# Altium PCB xbw.PcbDoc
Units mm, origin at the board's own origin, x right, y up, seen from the top; angles counter-clockwise.
Board outline 82.04 x 42.93 mm, 4 copper layers (Top Layer, GND, PWR, Bottom Layer), stack 0.603 mm thick; 44 components, 45 nets, 194 pads, 98 vias.
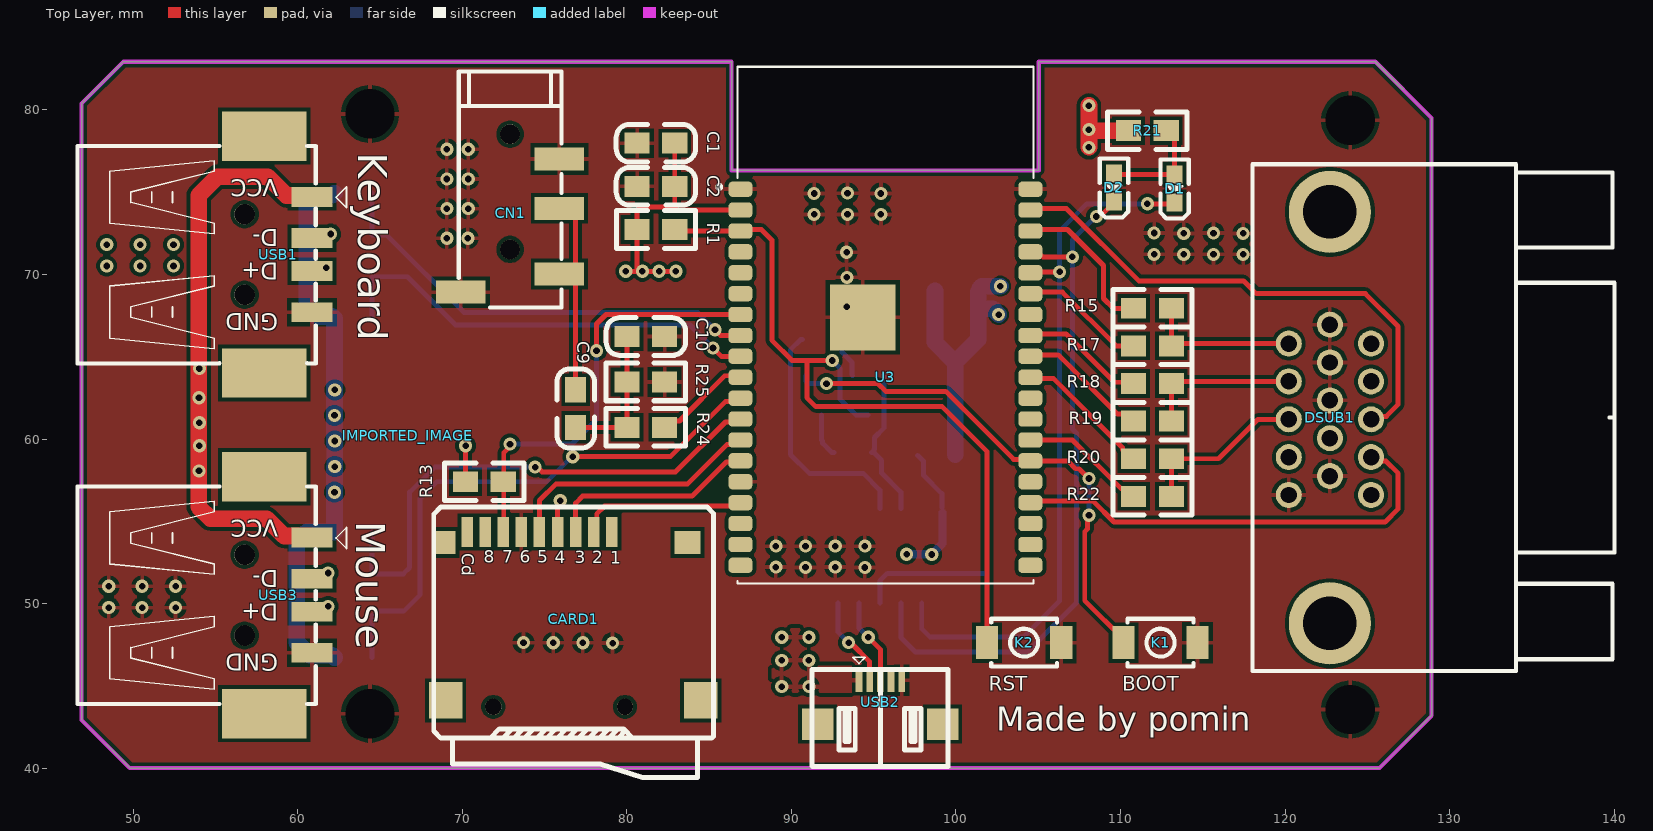
[diagram p0: Top Layer view]
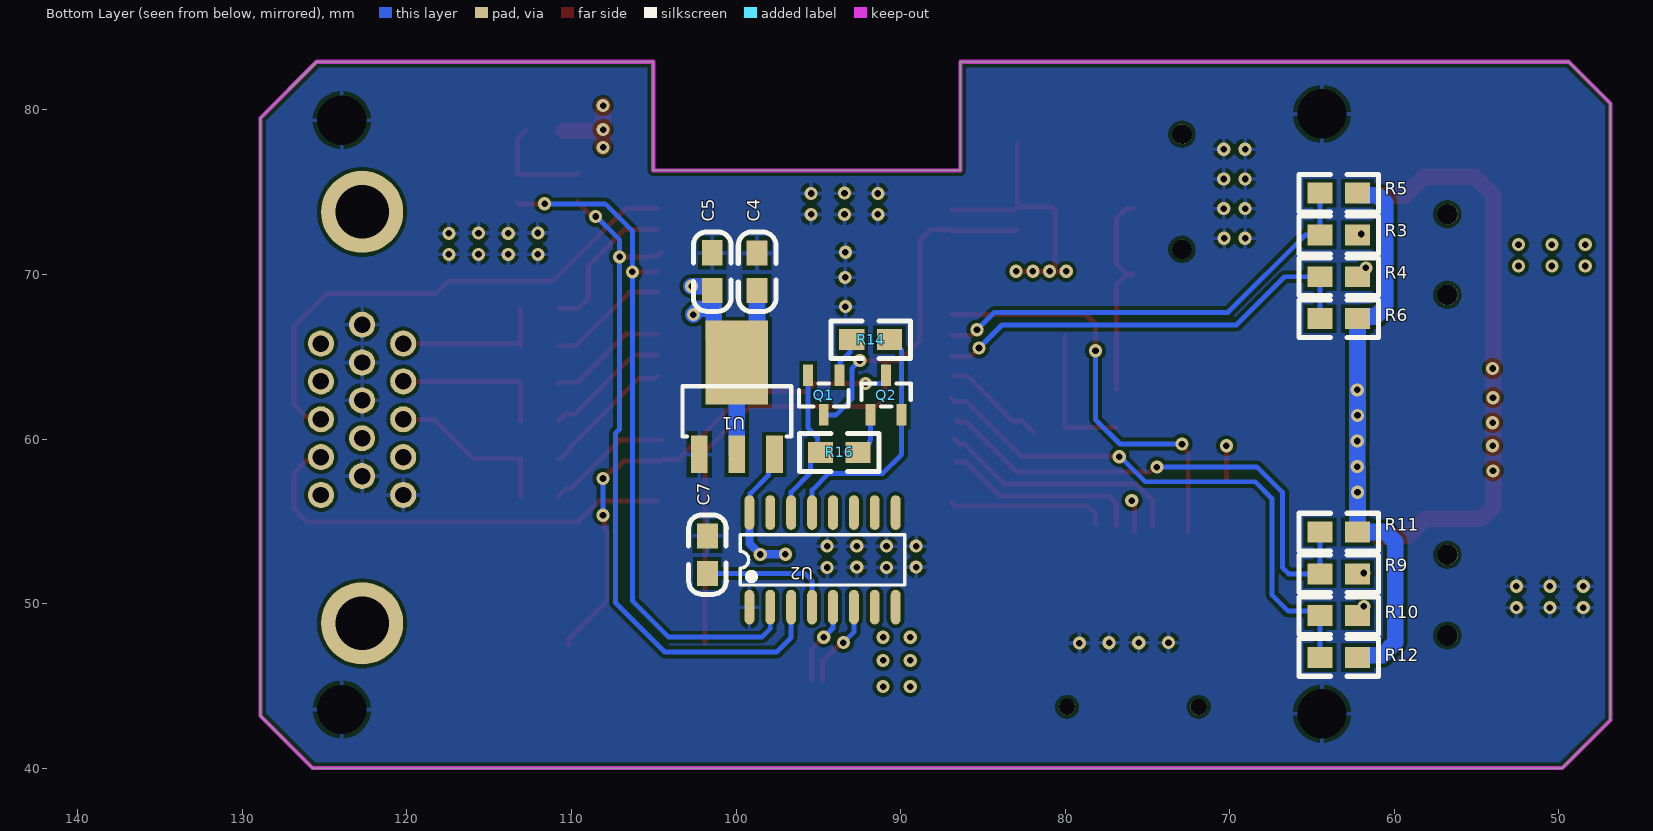
[diagram p1: Bottom Layer view, seen from below]
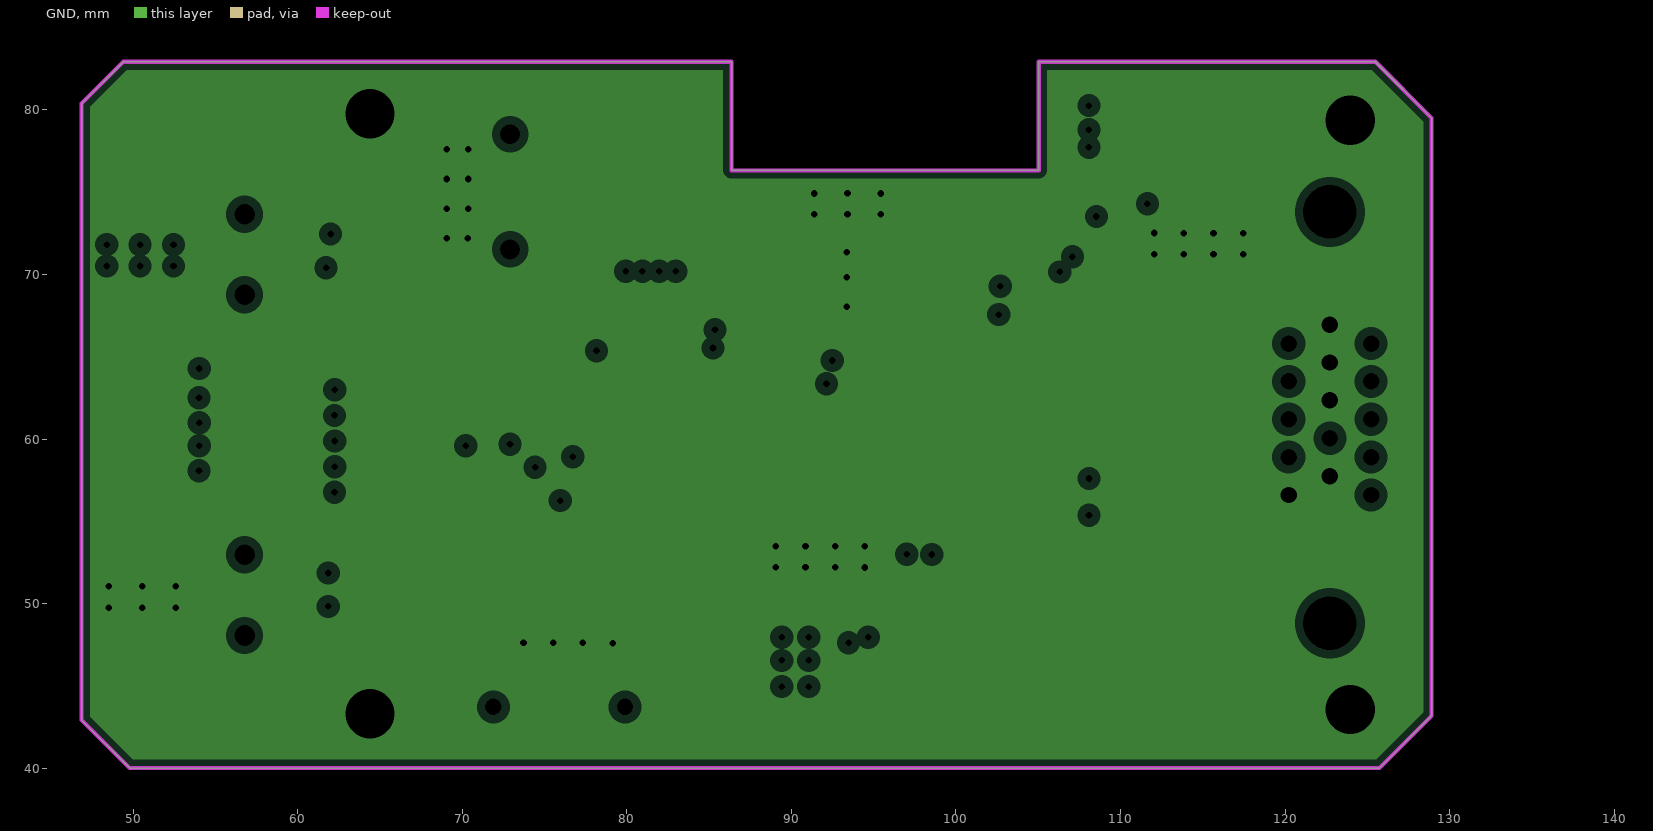
[diagram p2: GND, clearances drawn from the general rule]
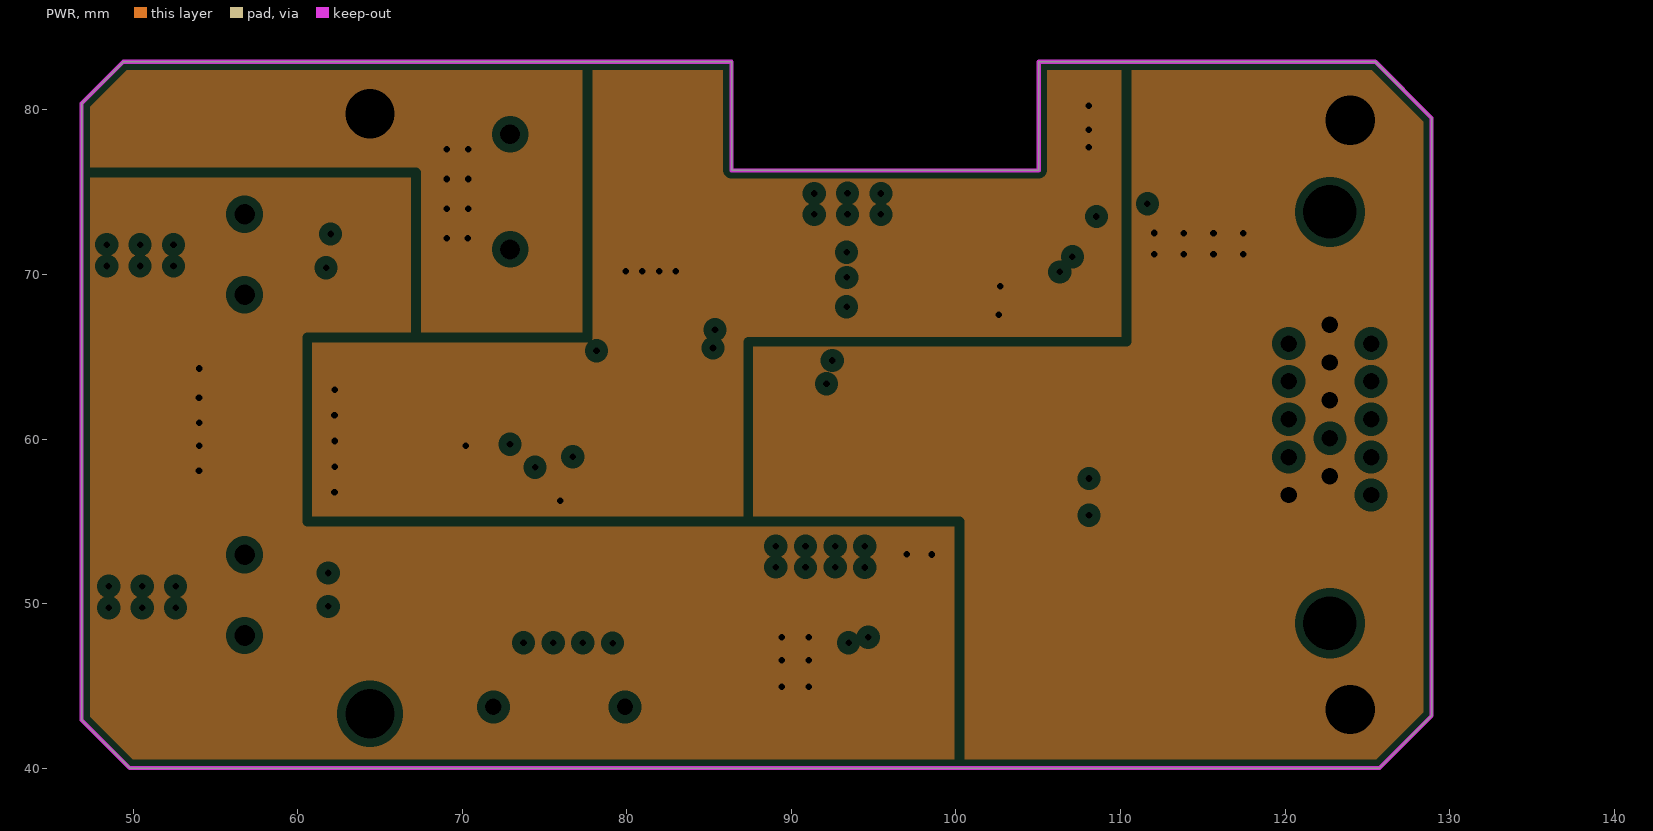
[diagram p3: PWR, clearances drawn from the general rule]
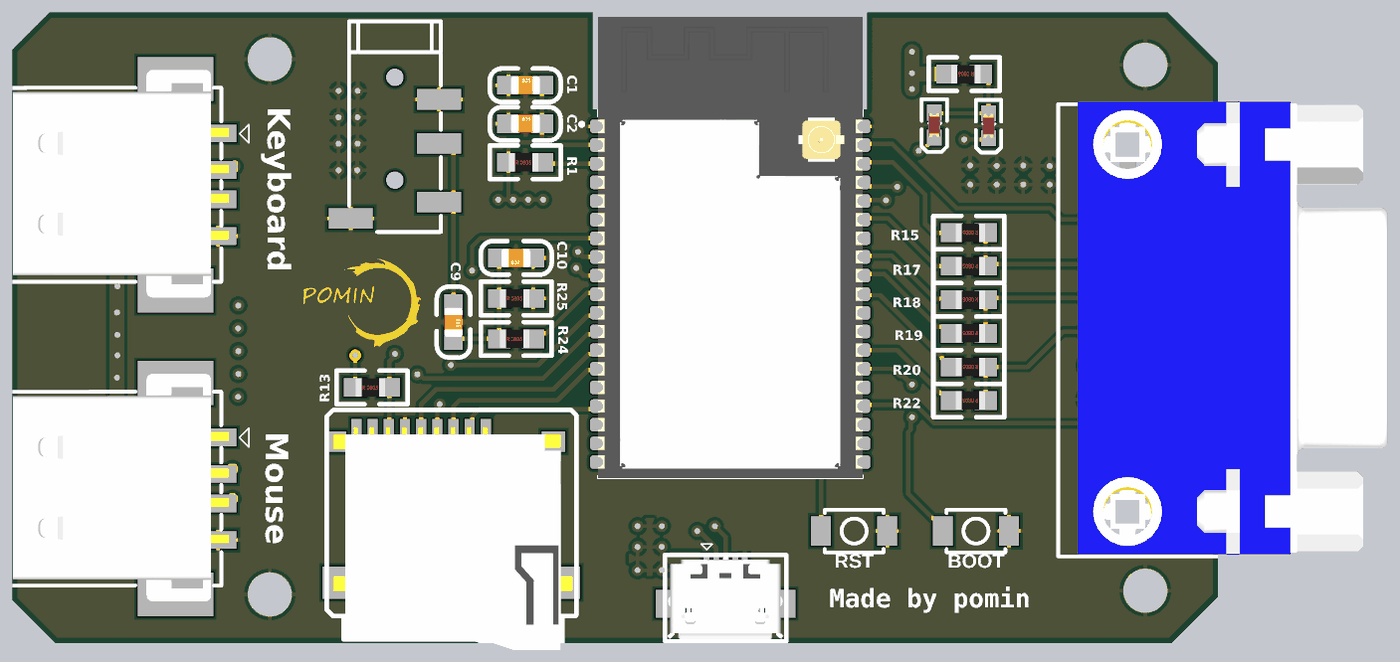
[diagram p4: 3D render of the assembled board from above, using the file's embedded part models]
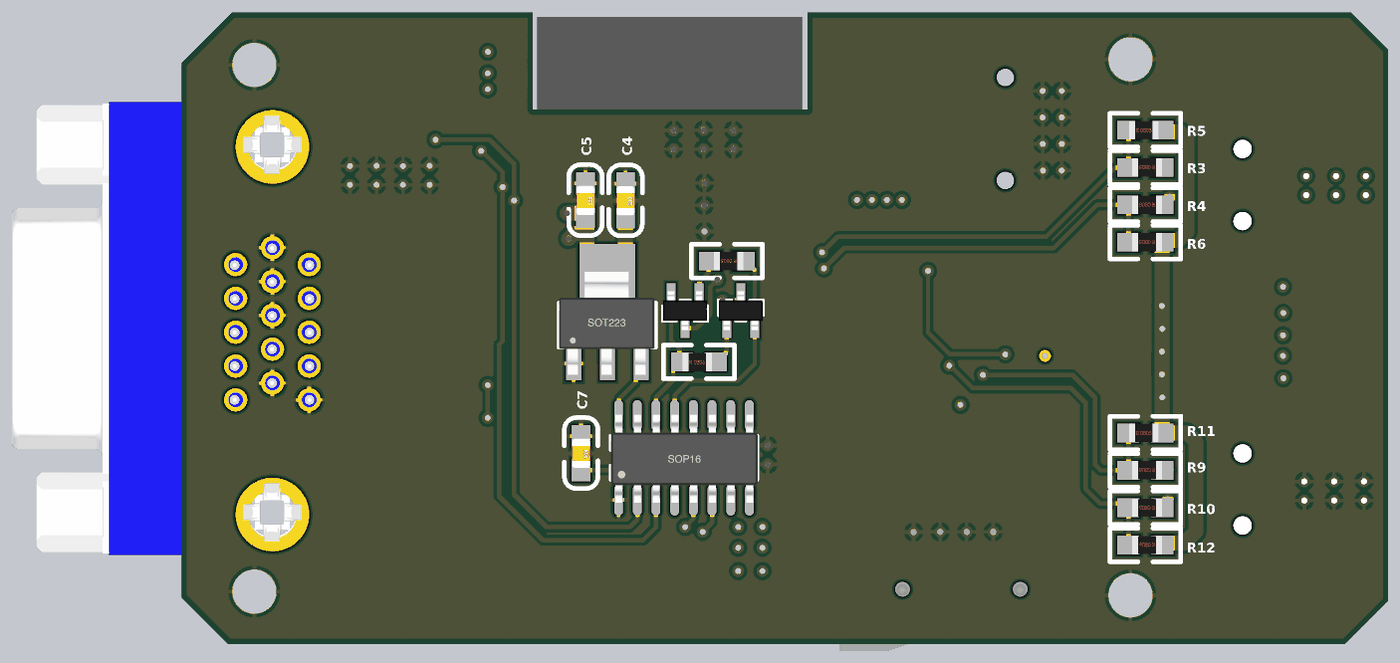
[diagram p5: 3D render of the assembled board from below, using the file's embedded part models]

## Layer stack, top to bottom
Top Solder: solder mask 0.0102, Solder Resist, Dk 3.5
Top Layer: signal copper 0.0356
Dielectric 2: prepreg 0.0711, PP-006, Dk 4.1
GND: plane copper 0.035, net GND
Dielectric 1: dielectric 0.32, FR-4, Dk 4.8
PWR: plane copper 0.035, net USB_+5V
Dielectric 3: prepreg 0.0711, PP-006, Dk 4.1
Bottom Layer: signal copper 0.0356
Bottom Solder: solder mask 0.0102, Solder Resist, Dk 3.5

## Board outline
46.863,42.926 46.863,80.391 49.403,82.931 86.36,82.931 86.36,76.327 105.029,76.327 105.029,82.931 125.476,82.931 128.905,79.502 128.905,43.18 125.73,40.005 49.784,40.005

## Design rules (kind name [scope] priority, off if disabled: settings)
Clearance [All] p1: gap=0.22 ignorepadtopadclearanceinfootprint=FALSE
PlaneClearance [All] p1: clearance=0.508
PlaneConnect [All] p1: planeconnectstyle=Relief reliefexpansion=0.508 reliefentries=4 reliefconductorwidth=0.254 reliefairgap=0.254
PolygonConnect PolygonConnect_1 [InNetClass('all') vs InNetClass('all')] p1: connectstyle=Direct reliefconductorwidth=0.254 reliefentries=4 polygonreliefangle="90 Angle" airgapwidth=0.254
PolygonConnect [All] p2: connectstyle=Relief reliefconductorwidth=0.254 reliefentries=4 polygonreliefangle="90 Angle" airgapwidth=0.254
RoutingVias [All] p1: holewidth=0.203 width=0.406 viastyle="Through Hole" minholewidth=0.152 minwidth=0.305 maxholewidth=0.711 maxwidth=1.27
SolderMaskExpansion [All] p1: expansion=0.102 istentingtop=FALSE
Width [All] p1: maxlimit=1.016 minlimit=0.152 preferedwidth=0.152 minimp=50.000000 maximp=50.000000 favimp=50.000000
28 further rules are at their usual default settings.

## Classes and differential pairs
net class all: +3V3

## Components (designator, comment, footprint, x,y, rotation, side; value= is the part's Value field where it differs from the comment)
C1 "100nF" 0805C 80.642,77.988 r0 top
C2 "10uF" 0805C 80.642,75.365 r0 top
C4 "10uF" 0805C 98.71,71.285 r270 bottom
C5 "100nF" 0805C 101.434,71.302 r270 bottom
C7 "100nF" 0805C 101.727,54.102 r270 bottom
C9 "10uF" 0805C 76.895,62.979 r270 top
C10 "100nF" 0805C 82.278,66.22 r180 top
CARD1 "THD2528-11SD-GF" "Micro SD" 68.985,44.12 r0 top
CN1 "PJ-320D" AUDIO-SMD_PJ-320D 72.898,72.972 r0 top
D1 "LED" LED-0603 113.284,75.222 r90 top
D2 "LED" LED-0603 109.601,75.273 r90 top
DSUB1 "VGA-002" VGA15/F/90 120.222,65.8 r270 top
IMPORTED_IMAGE "Comment" IMPORTED_IMAGE 66.675,60.198 r90 top
K1 "KEY" SW-SMD_L3.9-W2.9-P4.15-LS5.0 112.431,47.625 r180 top
K2 "KEY" SW-SMD_L3.9-W2.9-P4.15-LS5.0 104.14,47.625 r180 top
Q1 "S8050" SOT-23_L2.9-W1.3-P0.95-LS2.4-BR 94.667,62.668 r90 bottom
Q2 "S8050" SOT-23_L2.9-W1.3-P0.95-LS2.4-BR 90.883,62.668 r270 bottom
R1 "10K" 0805R 80.624,72.735 r0 top
R3 "120" 0805R 62.23,72.4 r0 bottom
R4 "120" 0805R 62.23,69.86 r0 bottom
R5 "10K" 0805R 64.516,74.94 r180 bottom
R6 "10K" 0805R 62.23,67.32 r0 bottom
R9 "120" 0805R 62.23,51.807 r0 bottom
R10 "120" 0805R 62.23,49.267 r0 bottom
R11 "10K" 0805R 64.516,54.347 r180 bottom
R12 "10K" 0805R 62.23,46.727 r0 bottom
R13 "10K" 0805R 70.199,57.404 r0 top
R14 "12K" 0805R 90.678,66.04 r0 bottom
R15 "400" 0805R 113.085,67.945 r180 top
R16 "12K" 0805R 94.872,59.182 r180 bottom
R17 "800" 0805R 113.085,65.659 r180 top
R18 "400" 0805R 113.085,63.373 r180 top
R19 "800" 0805R 113.085,61.087 r180 top
R20 "400" 0805R 113.085,58.801 r180 top
R21 "1K" 0805R 112.776,78.74 r180 top
R22 "800" 0805R 113.085,56.515 r180 top
R24 "270" 0805R 80.01,60.711 r0 top
R25 "150" 0805R 80.01,63.469 r0 top
U1 "AMS1117" SOT223 99.949,59.064 r180 bottom
U2 "CH340C" SOP16 99.187,49.738 r90 bottom
U3 "ESP32-WROVER-E(4MB)_C701347" XCVR_ESP32-WROVER-I 95.711,66.924 r0 top
USB1 "U-USBAM04P-F000" USB-A/S_B 60.869,74.71 r270 top
USB2 "Micro-USB" USB-MICRO_A 94.107,45.339 r0 top
USB3 "U-USBAM04P-F000" USB-A/S_B 60.869,54.009 r270 top

## Footprints (in the part's own frame and the unit in brackets; to place one, negate y for a bottom-side part, rotate by r counter-clockwise, add the part's x,y. Pads: shape width x height; smd on the part's side, far side on the other; paste and mask are expansions set on the pad)
0805C [mil]
  rect 60x50 smd: 1(-0.71,-0.4) 2(89.29,-0.4)
  silkscreen extent -51,-45 139,45, body extent 6,-25 84,25, height 31
0805R [mil]
  rect 60x50 smd: 1(0,0) 2(90,0)
  silkscreen extent -50,-45 140,45, body extent 1,-25 80,25, height 15
AUDIO-SMD_PJ-320D [mm]
  rect 3x1.4 smd: 1(-3,-4.05) 2(3,4.05) 3(3,1.05) 4(3,-2.95)
  round 1.2 hole 1.2 unplated: ""(0,-1.45) ""(0,5.55)
  silkscreen extent -3.12,-4.98 3.13,9.37
IMPORTED_IMAGE [mm]
LED-0603 [mil]
  rect 43x39 smd: 1(33.5,0) 2(-33.5,0)
  silkscreen extent -72,-34 70,34, body extent -32,-16 32,16, height 24
"Micro SD" [mm]
  rect 2.032x2.2 smd: 0(0,0) 0(15.5,0)
  rect 1.2x1.4 smd: 0(0,9.6)
  round 1 hole 1 unplated: 0(2.9,-0.4) 0(10.9,-0.4)
  rect 1.6x1.4 smd: 0(14.7,9.6)
  rect 0.7x1.8 smd: 1(10.1,10.227) 2(9,10.227) 3(7.9,10.227) 4(6.8,10.227) 5(5.7,10.227) 6(4.6,10.227) 7(3.5,10.227) 8(2.4,10.227) 9(1.3,10.227)
  silkscreen extent -0.72,-4.68 16.27,11.75, body extent -0.27,-4.63 16,10.57, height 1.8
SOP16 [mm]
  oval 2.1x0.6 smd: 1(0.046,0) 2(0.046,-1.27) 3(0.046,-2.54) 4(0.046,-3.81) 5(0.046,-5.08) 6(0.046,-6.35) 7(0.046,-7.62) 8(0.046,-8.89) 9(5.796,-8.89) 10(5.796,-7.62) 11(5.796,-6.35) 12(5.796,-5.08) 13(5.796,-3.81) 14(5.796,-2.54) 15(5.796,-1.27) 16(5.796,0)
  silkscreen extent 1.4,-9.45 4.44,0.56, body extent -0.15,-9.47 5.85,0.53, height 1.9
SOT223 [mil]
  rect 40x90 smd: 1(-90,0) 2(0,0) 3(90,0)
  rect 150x200 smd: 2(0,220)
  silkscreen extent -130,43 130,163, body extent -130,-30 126,246, height 65
SOT-23_L2.9-W1.3-P0.95-LS2.4-BR [mm]
  rect 1.3x0.6 smd: 1(1.2,-0.95) 2(1.2,0.95) 3(-1.2,0)
  silkscreen extent -0.7,-1.5 0.7,1.5, body extent -1.32,-1.5 1.32,1.5, height 1.08
SW-SMD_L3.9-W2.9-P4.15-LS5.0 [mm]
  rect 1.35x2 smd: 1(-2.25,0) 3(2.25,0)
  silkscreen extent -2,-1.45 2,1.45
USB-A/S_B [mm]
  rect 3x5.15 smd: 0(-3.7,-2.9) 0(10.7,-2.9)
  rect 1.2x2.5 smd: 1(0,0) 2(2.5,0) 3(4.5,0) 4(7,0)
  round 1.25 hole 1.25 unplated: 7(1.05,-4.1) 8(5.95,-4.1)
  silkscreen extent -3.1,-14.26 10.11,2.09, body extent -4.32,-13.97 11.18,0.73, height 6.9
USB-MICRO_A [mm]
  rect 1.9x1.9 smd: 0(-2.515,-2.667) 0(5.08,-2.667)
  rect 0.4x1.4 smd: 1(0,0) 2(0.648,0) 3(1.295,0) 4(1.943,0) 5(2.591,0)
  silkscreen extent -2.84,-5.24 5.41,1.4, body extent -2.71,-5.08 5.25,0.34, height 2.69
VGA15/F/90 [mm]
  round 5 hole 3.25: 0(-8,2.5) 0(17,2.5)
  round 1.58 hole 1: 1(0,0) 2(2.3,0) 3(4.6,0) 4(6.9,0) 5(9.2,0) 6(-1.15,2.5) 7(1.15,2.5) 8(3.45,2.5) 9(5.75,2.5) 10(8.05,2.5) 11(0,5) 12(2.3,5) 13(4.6,5) 14(6.9,5) 15(9.2,5)
  silkscreen extent -10.9,-2.2 19.9,19.8, body extent -11.06,-0.87 19.75,20.23, height 12.77
XCVR_ESP32-WROVER-I [mm]
  rrect50% 1.45x0.93 smd: 1(-8.81,8.26) 2(-8.81,6.99) 3(-8.81,5.72) 4(-8.81,4.45) 5(-8.81,3.18) 6(-8.81,1.91) 7(-8.81,0.64) 8(-8.81,-0.63) 9(-8.81,-1.9) 10(-8.81,-3.17) 11(-8.81,-4.44) 12(-8.81,-5.71) 13(-8.81,-6.98) 14(-8.81,-8.25) 15(-8.81,-9.52) 16(-8.81,-10.79) 17(-8.81,-12.06) 18(-8.81,-13.33) 19(-8.81,-14.6) 20(8.81,-14.6) 21(8.81,-13.33) 22(8.81,-12.06) 23(8.81,-10.79) 24(8.81,-9.52) 25(8.81,-8.25) 26(8.81,-6.98) 27(8.81,-5.71) 28(8.81,-4.44) 29(8.81,-3.17) 30(8.81,-1.9) 31(8.81,-0.63) 32(8.81,0.64) 33(8.81,1.91) 34(8.81,3.18) 35(8.81,4.45) 36(8.81,5.72) 37(8.81,6.99) 38(8.81,8.26)
  rect 4x4 smd paste-0.733: 39(-1.38,0.47)
  silkscreen extent -10.22,-15.7 9,15.7, body extent -9,-15.7 9,15.7, height 3.65

## Part data
C1 C2 C4 C5 C7 C9 C10: library part CAP_0603, BOM_Manufacturer=YAGEO, BOM_Manufacturer Part=CC0603GRNPO9BN200, BOM_Supplier=LCSC, BOM_Supplier Part=C325469, Contributor=LCSC, nameAlias=Capacitance, spicePre=C, spiceSymbolName=CC0603GRNPO9BN200
CARD1: BOM_JLCPCB Part Class="Extended Part", BOM_Manufacturer=THD, BOM_Manufacturer Part=THD2528-11SD-GF, BOM_Supplier=LCSC, BOM_Supplier Part=C283232, Contributor=LCSC, spicePre=C, spiceSymbolName=THD2528-11SD-GF
CN1: BOM_JLCPCB Part Class="Extended Part", BOM_Manufacturer="SHOU HAN", BOM_Manufacturer Part=PJ-320D, BOM_Supplier=LCSC, BOM_Supplier Part=C431535, Contributor=LCSC, spicePre=C, spiceSymbolName=PJ-320D
D1 D2: library part LED-Y, BOM_Manufacturer Part=?, nameAlias=Model, spicePre=D, spiceSymbolName=LED
DSUB1: BOM_JLCPCB Part Class="Extended Part", BOM_Manufacturer=BOOMELE, BOM_Manufacturer Part=VGA-002, BOM_Supplier=LCSC, BOM_Supplier Part=C138387, spicePre=D, spiceSymbolName=VGA-002
Q1 Q2: BOM_Manufacturer=GreenPower, BOM_Manufacturer Part=S8050, BOM_Supplier=LCSC, BOM_Supplier Part=C414195, Contributor=LCSC, spicePre=Q, spiceSymbolName=S8050_C414195
R1 R3 R4 R5 R6 R9 R10 R11 R12 R13 R14 R15 R16 R17 R18 R19 R20 R21 R22 R24 R25: library part RES_0603, BOM_Manufacturer=LIZ, BOM_Manufacturer Part=CR0603JA0301G, BOM_Supplier=LCSC, BOM_Supplier Part=C101323, nameAlias="Resistance (Ohms)", spicePre=R, spiceSymbolName=CR0603JA0301G
U1: "三端稳压芯片"
U2: BOM_JLCPCB Part Class="Extended Part", BOM_Manufacturer=WCH, BOM_Manufacturer Part=CH340C, BOM_Supplier=LCSC, BOM_Supplier Part=C84681, spicePre=U, spiceSymbolName=CH340C
U3: BOM_JLCPCB Part Class="Extended Part", BOM_Manufacturer="Espressif Systems", BOM_Manufacturer Part=ESP32-WROVER-E(4MB), BOM_Supplier=LCSC, BOM_Supplier Part=C701347, Contributor=LCSC, spicePre=U, spiceSymbolName=ESP32-WROVER-E(4MB)_C701347
USB1 USB3: BOM_JLCPCB Part Class="Extended Part", BOM_Manufacturer="Shenzhen Cankemeng", BOM_Manufacturer Part=U-USBAM04P-F000, BOM_Supplier=LCSC, BOM_Supplier Part=C386738, Contributor=LCSC, spicePre=U, spiceSymbolName=U-USBAM04P-F000

## Free pads (board coordinates)
  round 1.524 hole 3: 23(64.389,43.307) 23(64.389,79.756) 23(123.952,43.561) 23(123.952,79.375)

## Via types
v1: diameter 0.8, hole 0.4, Top Layer to Bottom Layer, tented both sides, 97 vias
v2: diameter 0.8, hole 0.4, Top Layer to Bottom Layer, 1 vias

## Nets (pads, with @x,y where several pads share a name; then routed paths per layer and width w, separated by ;. In a path a pad name is that pad's centre, name@x,y a point inside that pad or via, vN(x,y) a via of type N, cw(c..) or ccw(c..) an arc to the next point about the centre after c; other vN are vias at no path point)
+3V3: C1.2 C2.2 C4.2 C5.2 CARD1.4 R1.1 R5.2 R6.1 R11.2 R12.1 R13.1 R21.2 U1.2 U3.2 | length 79.1
  Top Layer w0.3: R13.1 v2(70.199,59.591) ; CARD1.4 75.785,56.071 75.946,56.232 v1(75.946,56.261) ; v1(79.93,70.191) v1@80.624,70.191 ; C1.2 C2.2 82.91,74.09 ; v1(82.978,70.191) v1@80.624,70.191 ; U3.2 83.086,73.914 82.91,74.09 ; v1@80.624,70.191 80.624,73.914 80.8,74.09 82.91,74.09
  Top Layer w1.016: v1(108.077,77.724) v1(108.077,78.803) ; v1(108.077,80.264) v1(108.077,78.803) ; R21.2 108.14,78.74 v1(108.077,78.803)
  Bottom Layer w1.016: R12.1 62.103,46.854 60.715,46.854 59.944,47.625 59.944,53.752 60.539,54.347 R11.2 v1(62.23,56.769) 62.23,58.271 62.252,58.293 62.252,59.69 62.23,59.712 62.23,62.966 62.252,62.988 62.23,63.01 R6.1 62.103,67.447 61.134,67.447 60.539,68.042 60.539,74.345 61.007,74.813 62.103,74.813 R5.2 ; C4.2 98.72,65.881 U1.2@99.949,64.652 ; U1.2@99.949,59.064 U1.2@99.949,64.652 ; v1(102.592,67.564) 102.235,67.921 101.346,67.921 ; v1(102.698,69.288) 101.571,69.288 101.444,69.161 C5.2 101.346,68.936 101.346,67.921 ; U1.2@99.949,64.652 101.346,66.049 101.346,67.921
  other v1: 62.252,58.324 62.252,59.879 62.23,61.433 62.252,62.988 80.946,70.191 81.962,70.191
AUDIO: C9.1 CN1.3 CN1.4 | length 12.7
  Top Layer w0.3: CN1.4 CN1.4@76.084,70.022 ; CN1.3 76.261,74.022 76.885,73.398 76.885,70.646 CN1.4@76.261,70.022 ; C9.1 76.885,69.398 CN1.4@76.261,70.022 ; CN1.4@76.084,70.022 CN1.4@76.261,70.022 ; CN1.4@76.084,70.022 CN1.4@76.261,70.022
BLUE0: R22.2 U3.26 | length 7.7
  Top Layer w0.3: U3.26 107.075,59.944 110.019,57 110.314,57 R22.2
BLUE1: R20.2 U3.29 | length 8.2
  Top Layer w0.3: U3.29@104.775,63.845 104.934,63.686 105.914,63.686 110.113,59.487 110.113,59.36 110.672,58.801 R20.2
DTR: Q2.2 R14.1 U2.13 | length 14.8
  Bottom Layer w0.3: R14.1 90.551,66.04 89.933,65.422 Q2.2 89.933,59.064 91.084,57.912 94.361,57.912 95.377,56.896 U2.13@95.377,55.783
ESP_EN: K2.3 Q1.3 R1.2 U3.3 | length 47.3
  Top Layer w0.3: R1.2 83.001,72.644 U3.3 86.992,72.735 88.169,72.735 88.811,72.093 88.811,66.002 90.043,64.77 90.939,64.77 ; v1(92.479,64.77) 90.939,64.77 ; K2.3 101.89,59.235 99.157,61.968 91.487,61.968 90.939,62.516 90.939,64.77
  Bottom Layer w0.3: v1(92.479,64.77) 92.964,64.285 92.964,62.421 93.917,61.468 Q1.3
ESP_GPIO0: K1.3 Q2.3 U3.25 | length 31.2
  Top Layer w0.3: v1(92.13,63.368) 95.263,63.368 95.737,62.894 99.376,62.894 103.505,58.765 U3.25@104.521,58.765 ; U3.25 106.782,58.674 107.261,58.194 107.473,58.194 108.064,57.604 v1(108.085,57.604) ; v1(108.085,55.372) 107.989,55.276 107.989,54.538 107.823,54.372 107.823,50.181 110.181,47.823 K1.3@110.181,47.498
  Bottom Layer w0.3: Q2.3 90.883,63.518 91.033,63.368 v1(92.13,63.368) ; v1(108.085,55.372) v1(108.085,57.604)
ESP_GPIO2: U3.24
ESP_GPIO12: CARD1.3 U3.14 | length 12.2
  Top Layer w0.3: CARD1.3@76.885,54.703 76.885,56.107 77.312,56.534 83.966,56.534 86.037,58.605 U3.14@86.615,58.605
ESP_GPIO13: CARD1.2 U3.16 | length 9.6
  Top Layer w0.3: CARD1.2@78.121,54.839 78.168,54.886 78.168,55.45 78.641,55.923 86.69,55.923 U3.16
ESP_GPIO14: CARD1.5 U3.13 | length 15.2
  Top Layer w0.3: CARD1.5@74.685,54.703 74.685,56.262 75.7,57.277 83.693,57.277 86.094,59.678 86.418,59.678 U3.13@86.775,60.035
ESP_GPIO15: DSUB1.14 U3.23 | length 27.2
  Top Layer w0.3: U3.23@104.775,56.225 108.331,56.225 109.601,54.955 126.075,54.955 126.873,55.753 126.873,57.912 126.121,58.664 125.458,58.664 DSUB1.14
ESP_GPIO16: U3.27
ESP_GPIO17: U3.28
ESP_GPIO18: R19.2 U3.30 | length 7.7
  Top Layer w0.3: U3.30@104.775,65.115 106.208,65.115 109.801,61.522 110.364,61.522 R19.2
ESP_GPIO19: R18.2 U3.31 | length 7.3
  Top Layer w0.3: U3.31@104.775,66.385 106.698,66.385 109.634,63.449 110.723,63.449 R18.2
ESP_GPIO21: R17.2 U3.33 | length 7.4
  Top Layer w0.3: U3.33@104.775,68.925 106.462,68.925 109.728,65.659 R17.2
ESP_GPIO22: R15.2 U3.36 | length 9.2
  Top Layer w0.3: U3.36@104.775,72.735 106.779,72.735 108.966,70.549 108.966,68.544 109.565,67.945 R15.2
ESP_GPIO23: DSUB1.13 U3.37 | length 31.8
  Top Layer w0.3: U3.37@104.775,74.005 106.718,74.005 111.113,69.61 117.475,69.61 118.251,68.834 124.879,68.834 126.873,66.84 126.873,62.103 126.151,61.381 125.403,61.381 DSUB1.13
ESP_GPIO25: R24.2 U3.10 | length 6.3
  Top Layer w0.3: R24.2@81.916,60.394 82.621,61.099 83.197,61.099 85.943,63.845 U3.10@86.775,63.845
ESP_GPIO26: R10.2 R12.2 U3.11 | length 33.8
  Top Layer w0.3: v1(76.708,58.928) 82.643,58.928 86.005,62.29 86.707,62.29 U3.11
  Bottom Layer w0.3: R12.2 R10.2 64.791,49.542 66.433,49.542 67.437,50.546 67.437,56.388 68.453,57.404 75.134,57.404 76.658,58.928 v1(76.708,58.928)
ESP_GPIO27: R9.2 R11.1 U3.12 | length 31.4
  Top Layer w0.3: v1(74.422,58.293) 74.557,58.293 74.846,58.005 82.957,58.005 85.989,61.036 86.506,61.036 U3.12@86.615,61.145
  Bottom Layer w0.3: R11.1 R9.2 66.412,51.807 66.802,52.197 66.802,56.769 68.326,58.293 v1(74.422,58.293)
ESP_GPIO32: R3.2 R5.1 U3.8 | length 27.5
  Top Layer w0.3: v1(85.356,66.637) 85.698,66.294 U3.8
  Bottom Layer w0.3: R5.1 R3.2 64.528,72.388 65.417,72.388 70.114,67.691 84.301,67.691 v1(85.356,66.637)
ESP_GPIO33: R4.2 R6.2 U3.9 | length 26.9
  Top Layer w0.3: v1(85.235,65.532) 85.743,65.024 U3.9
  Bottom Layer w0.3: R6.2 R4.2 66.665,69.86 69.596,66.929 83.838,66.929 v1(85.235,65.532)
ESP_GPIO34: U3.6
ESP_GPIO35: CARD1.7 R13.2 U3.7 | length 26.2
  Top Layer w0.3: CARD1.7@72.519,54.347 72.519,57.37 R13.2 72.517,57.436 72.517,59.174 72.898,59.555 v1(72.898,59.69) ; v1(78.152,65.365) 78.152,66.988 78.728,67.564 U3.7
  Bottom Layer w0.3: v1(72.898,59.69) 72.906,59.698 76.668,59.698 78.152,61.181 v1(78.152,65.365)
ESP_RX: D1.2 U2.2 U3.34 | length 42.8
  Top Layer w0.3: U3.34@104.775,70.195 104.815,70.155 v1(106.299,70.155) ; v1(111.633,74.295) 113.208,74.295 D1.2
  Bottom Layer w0.3: U2.2@97.917,50.038 97.917,48.465 98.425,47.957 104.091,47.957 106.299,50.165 v1(106.299,70.155) 106.285,70.168 106.285,72.63 107.95,74.295 v1(111.633,74.295)
ESP_TX: D2.2 U2.3 U3.35 | length 42.7
  Top Layer w0.3: U3.35 104.785,71.11 105.231,71.11 105.272,71.069 v1(107.075,71.069) ; v1(108.534,73.525) 108.63,73.621 108.85,73.621 109.601,74.371 D2.2
  Bottom Layer w0.3: U2.3@96.647,50.038 96.647,47.939 97.527,47.059 104.336,47.059 107.315,50.038 107.315,60.366 107.075,60.606 107.075,72.109 108.49,73.525 v1(108.534,73.525)
GND: C1.1 C2.1 C4.1 C5.1 C7.1 C10.1 CARD1.6 CN1.1 CN1.2 DSUB1.5 DSUB1.6 DSUB1.7 DSUB1.8 DSUB1.10 K1.1 K2.1 pad.23 R25.2 U1.1 U2.1 U3.1 U3.15 U3.38 U3.39 USB1.4 USB2.5 USB3.4
  other v1: 79.13,47.6 73.718,47.625 75.522,47.622 77.326,47.622 48.514,49.755 50.543,49.755 52.573,49.755 48.514,51.054 50.543,51.051 52.573,51.051 90.856,52.197 94.463,52.194 89.052,52.219 92.659,52.219 89.052,53.492 90.856,53.492 92.659,53.492 94.463,53.492 93.348,68.048 93.37,69.822 112.039,71.222 113.843,71.222 115.646,71.222 117.45,71.222 93.348,71.346 69.063,72.197 70.336,72.197 113.843,72.495 117.45,72.495 112.039,72.52 115.646,72.517 91.38,73.647 93.409,73.647 95.438,73.647 69.063,74 70.358,74 91.38,74.921 93.409,74.943 95.438,74.921 69.063,75.804 70.358,75.804 69.063,77.608 70.361,77.608
NetC7_2: C7.2 U2.4 | length 7.9
  Bottom Layer w0.3: U2.4@95.377,50.038 95.377,51.383 95.828,51.834 C7.2
NetC9_2: C9.2 C10.2 R24.1 R25.1 | length 8.6
  Top Layer w0.3: C9.2 R24.1 R25.1 C10.2
NetD1_1: D1.1 D2.1 R21.1 | length 6.6
  Top Layer w0.3: D2.1 109.652,76.073 D1.1 113.284,78.232 R21.1
NetDSUB1_1: DSUB1.1 R15.1 R17.1 | length 9.5
  Top Layer w0.3: R15.1 R17.1 113.226,65.8 DSUB1.1
NetDSUB1_2: DSUB1.2 R18.1 R19.1 | length 9.5
  Top Layer w0.3: R19.1 R18.1 113.212,63.5 DSUB1.2
NetDSUB1_3: DSUB1.3 R20.1 R22.1 | length 10.4
  Top Layer w0.3: R22.1 R20.1 115.951,58.801 118.35,61.2 DSUB1.3
NetQ1_1: Q1.1 R14.2 | length 2.5
  Bottom Layer w0.3: R14.2 93.072,65.932 93.072,65.266 93.681,64.657 93.681,63.905 Q1.1
NetQ2_1: Q2.1 R16.2 | length 2.7
  Bottom Layer w0.3: Q2.1 91.833,59.935 91.9,59.868 91.9,59.741 92.459,59.182 R16.2
NetR3_1: R3.1 USB1.2
  other v1: 61.994,72.457
NetR4_1: R4.1 USB1.3
  other v1: 61.719,70.4
NetR9_1: R9.1 USB3.2
  other v1: 61.846,51.858
NetR10_1: R10.1 USB3.3
  other v1: 61.846,49.826
RTS: Q1.2 R16.1 U2.14 | length 9.2
  Bottom Layer w0.3: Q1.2 95.617,60.658 95.051,60.091 95.051,59.361 R16.1 94.999,59.182 95.484,58.697 95.484,57.932 96.647,56.769 U2.14@96.647,55.783
USB_+5V: U1.3 U2.16 USB1.1 USB2.1 USB3.1 | length 42.6
  Top Layer w1.016: USB3.1 60.777,54.101 59.174,54.101 58.114,55.162 54.693,55.162 53.975,55.88 53.975,58.067 53.975,59.591 53.975,60.988 53.975,62.512 53.975,64.286 53.975,74.803 55.118,75.946 58.166,75.946 59.31,74.802 60.777,74.802 USB1.1
  Bottom Layer w0.3: U1.3@97.663,59.01 98.021,58.652 98.021,57.808 99.145,56.684 U2.16@99.145,55.825
  Bottom Layer w0.5: v1(97,53.003) 98.502,53.003 v1(98.524,52.981) 99.187,53.644 U2.16
  other v1: 89.408,44.958 91.059,44.958 89.408,46.545 91.059,46.545 89.408,47.957 91.059,47.957 53.997,58.067 54.019,59.591 54.019,60.988 53.997,62.512 54.019,64.286
USB_DN: U2.6 USB2.2 | length 5.6
  Top Layer w0.3: v1(93.472,47.625) 93.521,47.576 93.648,47.576 94.755,46.469 USB2.2
  Bottom Layer w0.3: U2.6@92.837,50.038 92.837,48.26 v1(93.472,47.625)
USB_DP: U2.5 USB2.3 | length 5.2
  Top Layer w0.3: v1(94.667,47.957) 95.402,47.222 USB2.3
  Bottom Layer w0.3: U2.5@94.107,50.038 94.107,48.517 v1(94.667,47.957)
pads on no net: CARD1.0 CARD1.1 CARD1.8 CARD1.9 CN1. DSUB1.0 DSUB1.4 DSUB1.9 DSUB1.11 DSUB1.12 DSUB1.15 U2.7 U2.8 U2.9 U2.10 U2.11 U2.12 U2.15 U3.4 U3.5 U3.17 U3.18 U3.19 U3.20 U3.21 U3.22 U3.32 USB1.0 USB1.7 USB1.8 USB2.0 USB2.4 USB3.0 USB3.7 USB3.8
copper on no net:
  other v1: 48.387,70.517 50.416,70.517 52.446,70.517 48.387,71.816 50.416,71.812 52.446,71.812

## Polygon pours and split planes (outlines as drawn)
GND on Bottom Layer "GND_L04_P006" (solid, remove dead copper, pour order 6): 45.339,82.931 71.385,82.931 71.385,82.804 77.851,82.804 128.905,82.804 128.905,40.005 95.758,40.005 66.929,40.005 45.339,40.005
GND on Bottom Layer "GND_L04_P002" (solid, remove dead copper, pour order 2): 92.202,72.898 102.743,72.898 102.743,70.358 96.647,70.358 96.647,67.564 92.202,67.564
GND on Top Layer "GND_L01_P005" (solid, remove dead copper, pour order 5): 45.339,82.931 71.385,82.931 71.385,82.804 77.851,82.804 128.905,82.804 128.905,40.005 95.758,40.005 86.69,40.005 45.339,40.005
USB_+5V on Top Layer "USB_+5V_L01_P001" (solid, remove dead copper, pour order 1): 94.488,44.577 94.488,46.228 91.592,46.228 91.592,48.514 88.811,48.514 88.811,44.577
+3V3 on PWR (split plane): 110.062,66.214 87.376,66.214 87.317,66.209 87.261,66.192 87.209,66.164 87.163,66.126 87.125,66.08 87.097,66.028 87.08,65.972 87.075,65.913 87.075,55.292 60.88,55.292 60.88,65.866 77.597,65.866 77.656,65.871 77.712,65.888 77.764,65.916 77.81,65.954 77.848,66 77.876,66.052 77.893,66.108 77.898,66.167 77.898,82.421 85.85,82.421 85.85,76.327 85.859,76.227 85.888,76.132 85.936,76.043 85.999,75.966 86.076,75.903 86.165,75.855 86.26,75.826 86.36,75.817 105.029,75.817 105.129,75.826 105.224,75.855 105.313,75.903 105.39,75.966 105.453,76.043 105.501,76.132 105.53,76.227 105.539,76.327 105.539,82.421 110.062,82.421
GND on PWR (split plane): 128.395,79.291 128.395,43.391 125.519,40.515 100.504,40.515 100.504,54.991 100.499,55.05 100.482,55.106 100.454,55.158 100.416,55.204 100.37,55.242 100.318,55.27 100.262,55.287 100.203,55.292 87.677,55.292 87.677,65.612 110.363,65.612 110.422,65.617 110.478,65.634 110.53,65.662 110.576,65.7 110.614,65.746 110.642,65.798 110.659,65.854 110.664,65.913 110.664,82.421 125.265,82.421
GND on PWR (split plane): 77.296,66.468 67.484,66.468 67.484,76.2 67.479,76.259 67.462,76.315 67.434,76.367 67.396,76.413 67.35,76.451 67.298,76.479 67.242,76.496 67.183,76.501 47.373,76.501 47.373,80.18 49.614,82.421 77.296,82.421
USB_+5V on PWR (split plane): 66.882,66.468 60.579,66.468 60.52,66.463 60.464,66.446 60.412,66.418 60.366,66.38 60.328,66.334 60.3,66.282 60.283,66.226 60.278,66.167 60.278,54.991 60.283,54.932 60.3,54.876 60.328,54.824 60.366,54.778 60.412,54.74 60.464,54.712 60.52,54.695 60.579,54.69 99.902,54.69 99.902,40.515 49.995,40.515 47.373,43.137 47.373,75.899 66.882,75.899
GND on GND (split plane): 128.395,79.291 128.395,43.391 125.519,40.515 49.995,40.515 47.373,43.137 47.373,80.18 49.614,82.421 85.85,82.421 85.85,76.327 85.859,76.227 85.888,76.132 85.936,76.043 85.999,75.966 86.076,75.903 86.165,75.855 86.26,75.826 86.36,75.817 105.029,75.817 105.129,75.826 105.224,75.855 105.313,75.903 105.39,75.966 105.453,76.043 105.501,76.132 105.53,76.227 105.539,76.327 105.539,82.421 125.265,82.421

## Keep-outs
Keep-Out Layer:
  the board outline again, w0.254

## Other copper
PWR (plane layer: these items are gaps in the copper):
  lines w0.6: 46.736,76.2 67.183,76.2 67.183,66.167 ; 77.597,83.312 77.597,66.167 60.579,66.167 60.579,54.991 87.376,54.991 ; 100.203,39.751 100.203,54.991 87.376,54.991 ; 110.363,83.312 110.363,65.913 87.376,65.913 87.376,54.991

## Silkscreen, mask and mechanical layers (free items; w line width, h text height)
Top Overlay:
  text "Keyboard" at 63.089,77.402 h3 r270
  text "Mouse" at 62.962,55.008 h3 r270
  text "RST" at 101.981,44.388 h1.52
  text "BOOT" at 110.1,44.388 h1.52
  text "Made by pomin" at 102.446,41.794 h2.5

## Text inside footprints (layer, text, board x,y; h text height)
CARD1: Top Overlay "Cd" at 69.966,53.052 h0.76 r270; Top Overlay "8" at 71.313,52.493 h0.76; Top Overlay "7" at 72.43,52.468 h0.76; Top Overlay "6" at 73.497,52.468 h0.76; Top Overlay "5" at 74.564,52.468 h0.76; Top Overlay "4" at 75.631,52.442 h0.76; Top Overlay "3" at 76.824,52.442 h0.76; Top Overlay "2" at 77.891,52.442 h0.76; Top Overlay "1" at 78.983,52.417 h0.76
USB1: Top Overlay "GND" at 58.801,67.654 h1.02 r180; Top Overlay "D+" at 58.801,70.702 h1.02 r180; Top Overlay "D-" at 58.801,72.734 h1.02 r180; Top Overlay "VCC" at 58.801,75.782 h1.02 r180
USB3: Top Overlay "VCC" at 58.801,55.081 h1.02 r180; Top Overlay "D-" at 58.801,52.033 h1.02 r180; Top Overlay "D+" at 58.801,50.001 h1.02 r180; Top Overlay "GND" at 58.801,46.953 h1.02 r180